# Allegro board DISCOVERY-F030_BOOSTPACK.brd
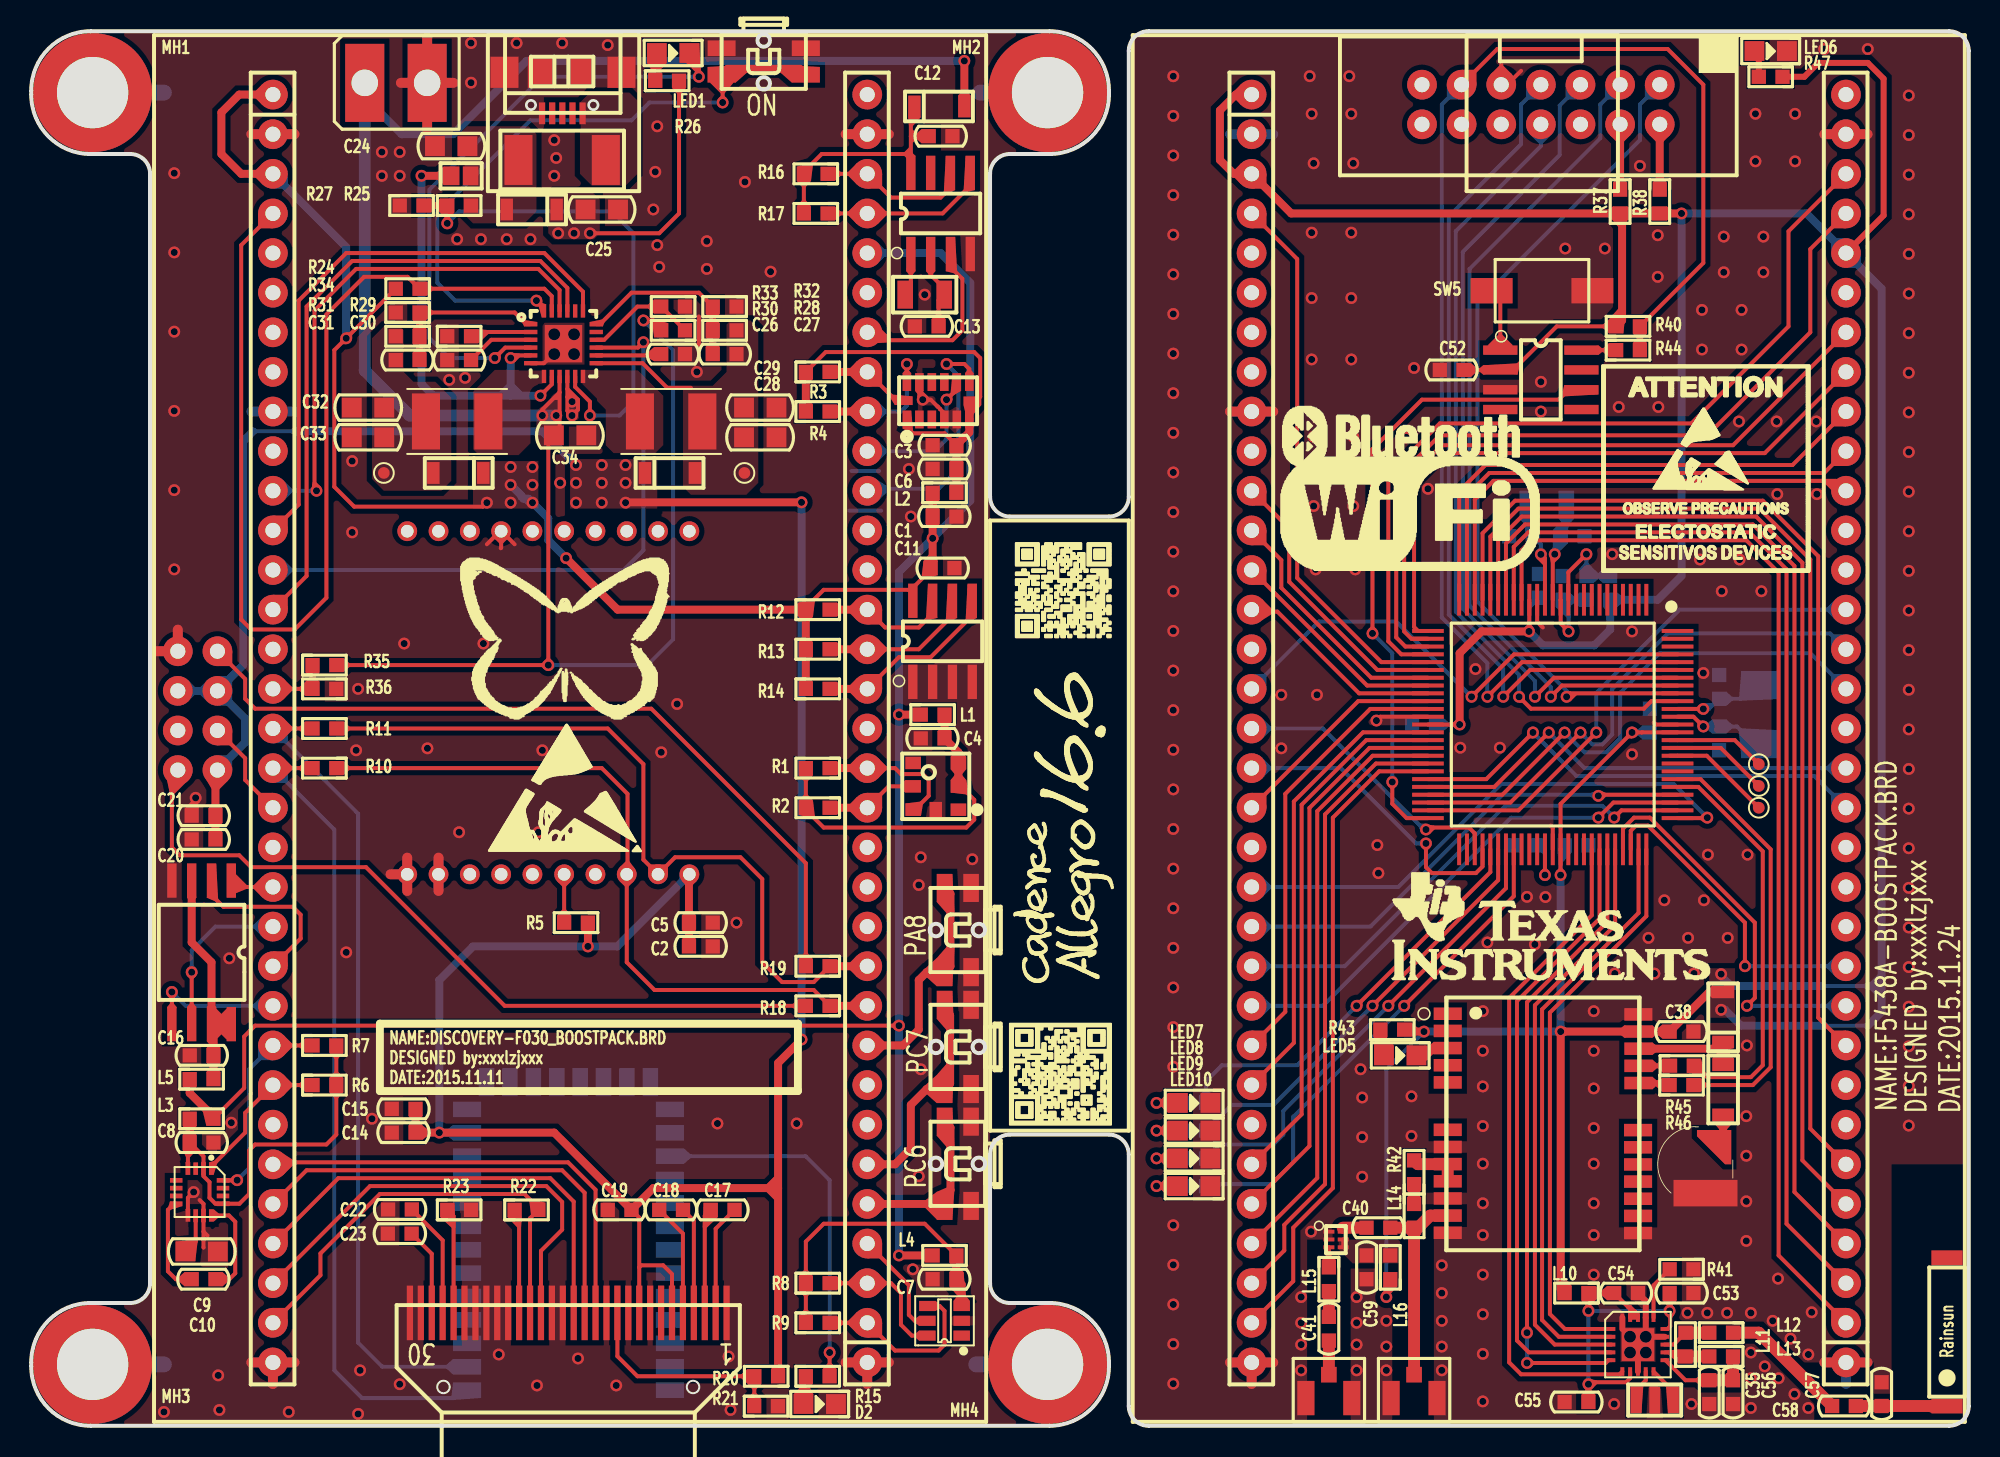
[diagram p0: board, top side]
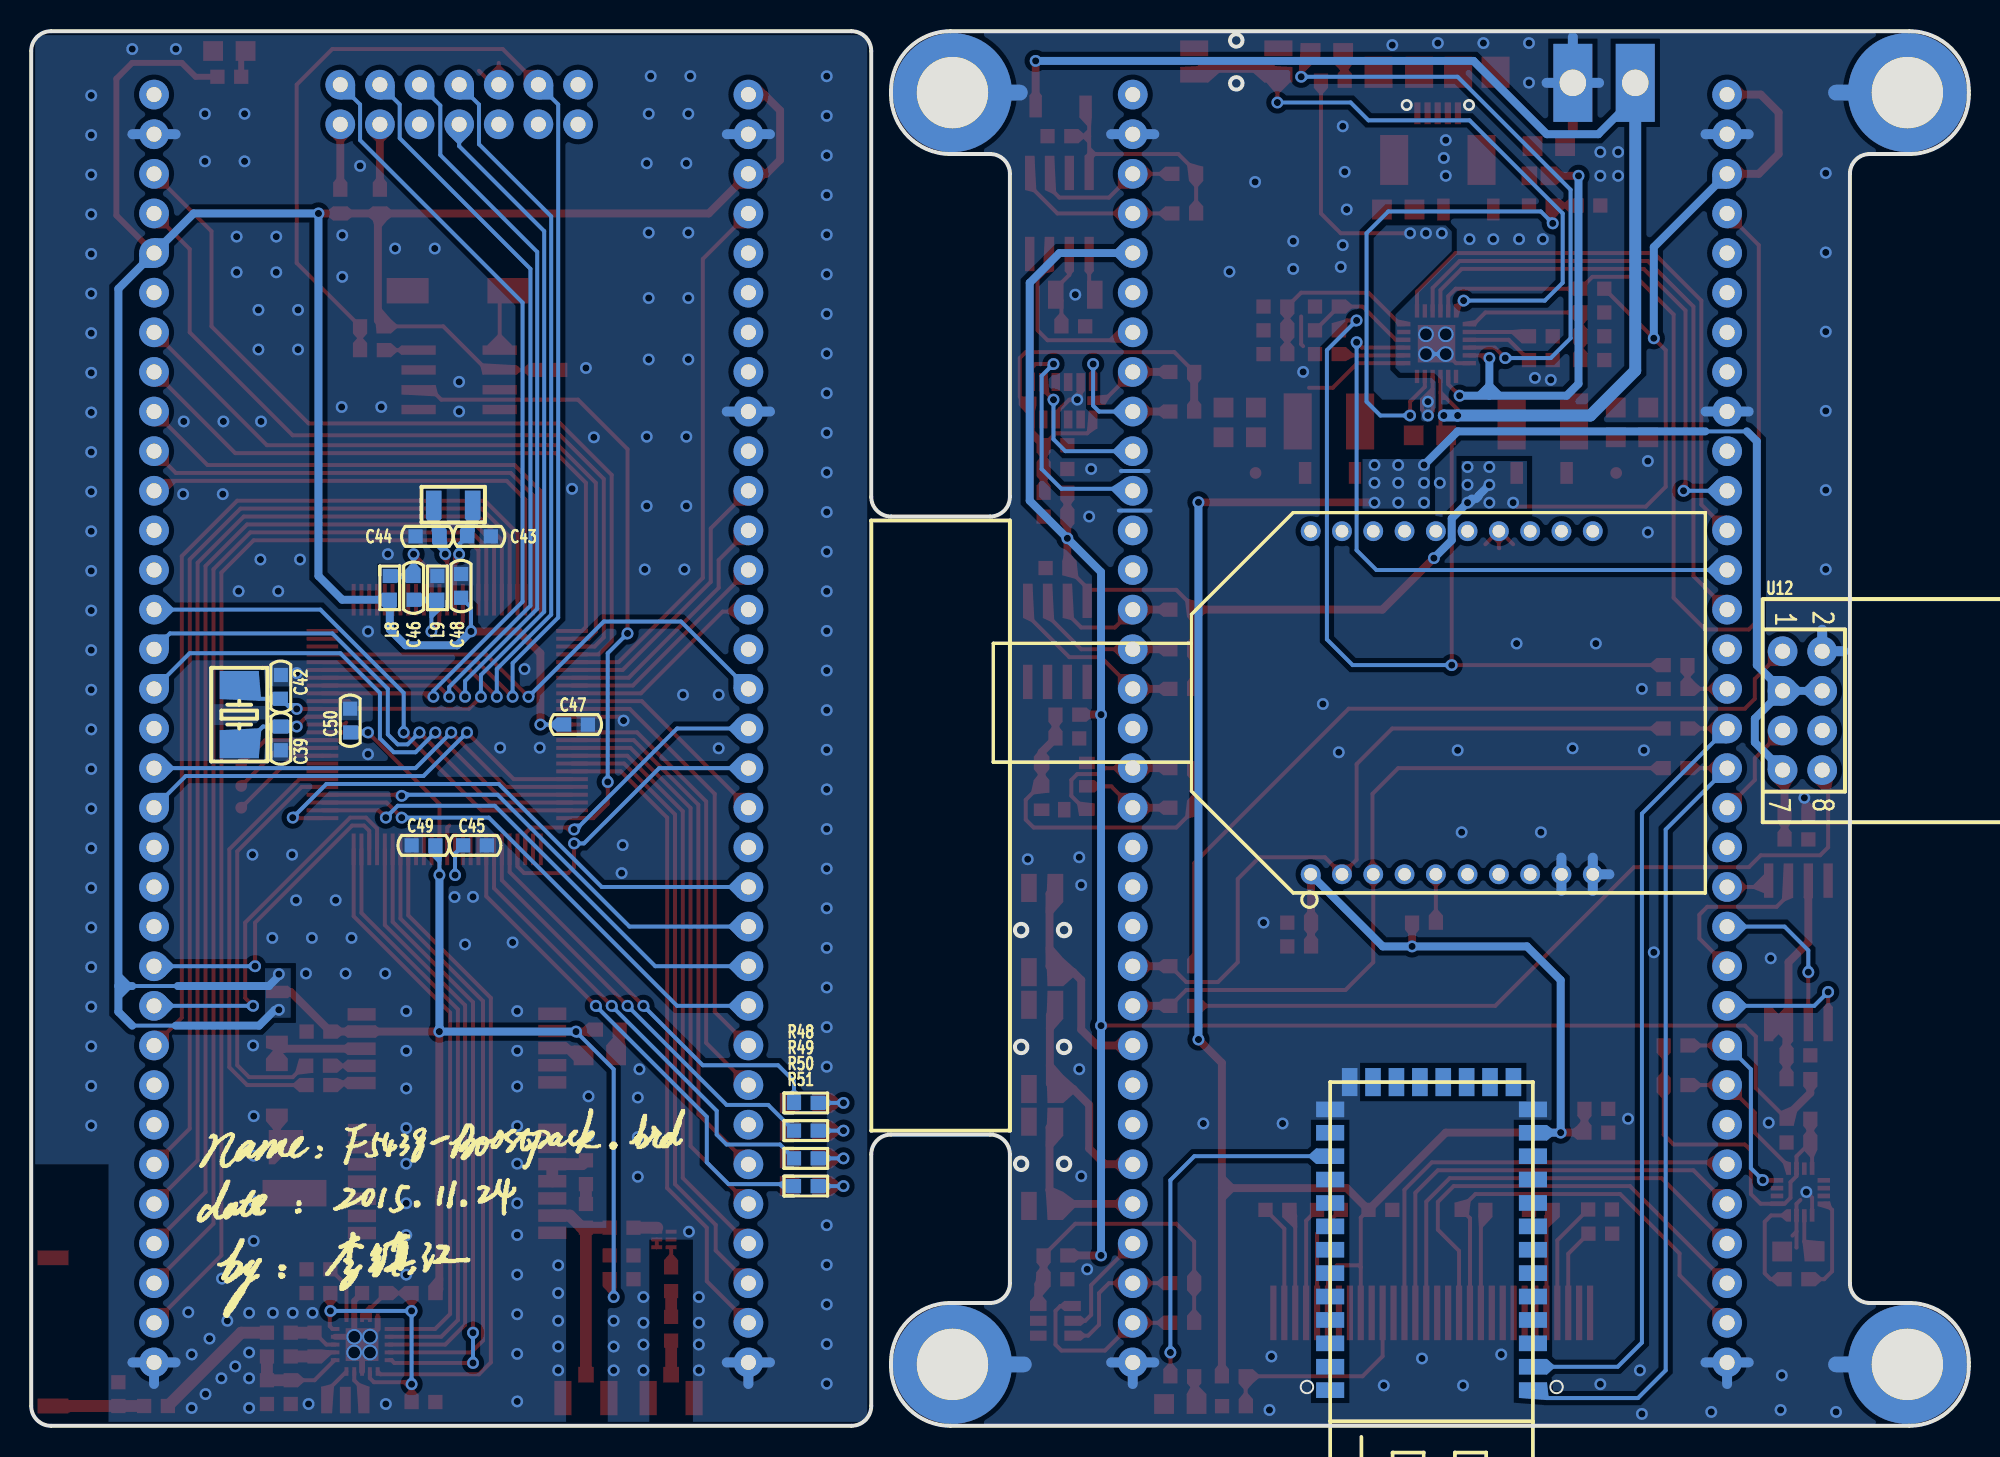
[diagram p1: board, bottom side, seen from below]

Outline 124.21 x 89.41 mm; copper layers: TOP, BOTTOM. Coordinates in mm from the lower left corner of the outline.
Outline path: 0,85.6 arc(1.12,88.29) 3.81,89.41 65.28,89.41 arc(67.97,88.29) 69.09,85.6 69.09,85.34 arc(67.97,82.65) 65.28,81.53 62.74,81.53 arc(61.84,81.16) 61.47,80.26 61.47,59.56 arc(61.84,58.66) 62.74,58.29 69.09,58.29 arc(69.99,58.66) 70.36,59.56 70.36,88.14 arc(70.73,89.04) 71.63,89.41 122.94,89.41 arc(123.83,89.04) 124.21,88.14 124.21,1.27 arc(123.83,0.37) 122.94,0 71.63,0 arc(70.73,0.37) 70.36,1.27 70.36,17.4 arc(69.99,18.3) 69.09,18.67 62.74,18.67 arc(61.84,18.3) 61.47,17.4 61.47,9.14 arc(61.84,8.25) 62.74,7.87 65.28,7.87 arc(67.97,6.76) 69.09,4.06 69.09,3.81 arc(67.97,1.12) 65.28,0 3.81,0 arc(1.12,1.12) 0,3.81 0,4.06 arc(1.12,6.76) 3.81,7.87 6.35,7.87 arc(7.25,8.25) 7.62,9.14 7.62,80.26 arc(7.25,81.16) 6.35,81.53 3.81,81.53 arc(1.12,82.65) 0,85.34 0,85.6

## Placement (name value [footprint] x y rotation side)
ANT1  -  [AN9520-245]  122.81 1.27 90 top
BAT1  BATTERY  [POWER2A]  27.43 87.12 90 top
BAT2  XH414  [BAT-XH414HG]  106.68 16.76 0 top
C1  10uF  [CC0603]  58.55 58.29 180 top
C2  10uF  [CC0603]  42.93 30.73 180 top
C3  0.1uF  [CC0603]  58.55 62.87 0 top
C4  0.1uF  [C0603]  57.78 44.07 180 top
C5  0.1uF  [CC0603]  42.93 32.26 180 top
C6  0.1uF  [CC0603]  58.55 61.34 180 top
C7  0.1uF  [CC0603]  58.55 9.4 180 top
C8  0.1uF  [C0603]  10.92 18.16 0 top
C9  10uF  [C0805]  10.92 11.18 0 top
C10  0.22uF  [C0603]  11.05 9.4 180 top
C11  0.1uF  [CC0603]  58.42 54.99 0 top
C12  0.1uF  [C0603]  58.29 82.68 0 top
C13  12pF  [C0603]  57.4 70.48 0 top
C14  10uF  [CC0603]  23.88 18.8 180 top
C15  0.1uF  [CC0603]  23.88 20.32 180 top
C16  0.1uF  [C0603]  10.92 23.75 0 top
C17  1uF  [C0603]  44.32 13.84 180 top
C18  1uF  [C0603]  41.02 13.84 180 top
C19  22uF  [C0603]  37.72 13.84 180 top
C20  10uF  [CC0603]  11.05 37.59 0 top
C21  0.1uF  [CC0603]  11.05 39.12 0 top
C22  22uF  [C0603]  23.64 13.87 0 top
C23  22uF  [C0603]  23.62 12.32 0 top
C24  10uF  [C0805]  26.92 82.04 0 top
C25  10uF  [C0805]  36.58 77.98 180 top
C26  0.1uF  [C0603]  41.15 68.71 180 top
C27  10pF  [C0603]  44.45 68.71 0 top
C28  10uF  [C0805]  46.74 63.37 180 top
C29  10uF  [C0805]  46.74 65.28 180 top
C30  0.1uF  [C0603]  27.43 68.33 0 top
C31  10pF  [C0603]  24.13 68.33 180 top
C32  10uF  [C0805]  21.59 65.28 0 top
C33  10uF  [C0805]  21.59 63.37 0 top
C34  10uF  [C0805]  34.54 63.5 180 top
C35  4.7pF  [C0603]  107.57 2.16 270 top
C38  0.1uF  [C0603]  105.79 25.27 180 top
C39  20pF  [CC0603]  108.2 44.07 270 bottom
C40  8.2pF  [C0603]  86.36 12.7 180 top
C41  470pF  [C0603]  83.19 6.22 90 top
C42  20pF  [CC0603]  108.2 47.37 90 bottom
C43  12pF  [CC0603]  95.5 57.02 180 bottom
C44  12pF  [CC0603]  98.81 57.02 0 bottom
C45  0.1uF  [C0603]  95.76 37.21 180 bottom
C46  0.1uF  [C0603]  99.7 53.72 90 bottom
C47  0.1uF  [C0603]  89.28 44.96 0 bottom
C48  0.1uF  [C0603]  96.65 53.85 270 bottom
C49  0.1uF  [C0603]  99.06 37.21 180 bottom
C50  0.1uF  [C0603]  103.76 45.21 270 bottom
C52  0.1uF  [CC0603]  91.06 67.69 180 top
C53  0.1uF  [C0603]  105.79 8.51 0 top
C54  0.1uF  [C0603]  102.23 8.51 180 top
C55  0.1uF  [C0603]  99.06 1.52 180 top
C56  2.2nF  [C0603]  109.09 2.16 270 top
C57  1.5pF  [C0603]  116.2 1.27 0 top
C58  1pF  [C0603]  118.62 2.03 90 top
C59  0.1uF  [C0603]  85.6 10.16 270 top
D1  MBRM0520  [SOD-123]  59.82 84.58 180 top
D2  LED_GREEN  [LED0805]  50.55 1.4 0 top
D3  MBRM120  [SOD-123]  30.48 77.98 0 top
D4  MBRM120  [SOD-123]  25.78 61.09 0 top
D5  MBRM120  [SOD-123]  42.54 61.09 180 top
D6  MBRM120  [SOD-123]  108.46 27.81 270 top
D7  MBRM120  [SOD-123]  108.46 19.94 90 top
F1  1.5A  [R2512]  34.04 81.15 180 top
IPX1  IPEX  [IPEX3]  88.65 1.78 0 top
IPX2  IPEX  [IPEX3]  83.19 1.78 0 top
J1  JUMP_2P  [JUMP-2P]  27.56 80.14 180 top
JP1  -  [JTAG]  104.39 85.98 180 top
L1  BEAD  [L0603]  57.78 45.59 180 top
L2  BLM18PG600SH1  [L0603]  58.55 59.82 180 top
L3  BEAD  [L0603]  10.92 19.68 180 top
L4  BLM18PG600SH1  [L0603]  58.55 10.92 0 top
L5  BEAD  [L0603]  10.92 22.23 180 top
L6  4.7uH  [L4532-P]  41.02 64.39 0 top
L7  4.7uH  [L4532-P]  27.3 64.39 180 top
L8  BEAD  [L0603]  101.22 53.72 90 bottom
L9  BEAD  [L0603]  98.17 53.72 270 bottom
L10  BEAD  [L0603]  99.06 8.51 0 top
L11  8.2nH  [L0603]  106.05 5.21 270 top
L12  3.9nH  [L0603]  108.33 5.97 0 top
L13  2.7nH  [L0603]  108.33 4.45 0 top
L14  27nH  [L0603]  88.65 13.46 90 top
L15  6.8nH  [L0603]  83.19 9.4 90 top
L16  27nH  [L0603]  87.12 10.16 270 top
LED1  LED-RED  [LED0805]  41.15 88.01 0 top
LED5  LED-GREEN  [LED0805]  87.76 23.75 0 top
LED6  LED-GREEN  [LED0805]  111.51 88.14 0 top
LED7  LED-GREEN  [LED0805]  74.55 20.7 0 top
LED8  LED-GREEN  [LED0805]  74.55 18.92 0 top
LED9  LED-GREEN  [LED0805]  74.55 17.14 0 top
LED10  LED-GREEN  [LED0805]  74.55 15.37 0 top
MH1  Hold  [HOLD300D180]  3.94 85.47 0 top
MH2  Hold  [HOLD300D180]  65.15 85.47 0 top
MH3  Hold  [HOLD300D180]  3.94 3.94 0 top
MH4  Hold  [HOLD300D180]  65.15 3.94 0 top
NOREF  -  []  0 3.81 0 top
NOREF#2  -  []  3.81 0 90 top
R1  47K  [R0603]  50.42 42.16 0 top
R2  47K  [R0603]  50.42 39.62 0 top
R3  47K  [RC0603]  50.42 67.56 180 top
R4  47K  [RC0603]  50.42 65.02 180 top
R5  20K  [RC0603]  34.92 32.26 0 top
R6  47K  [R0603]  18.8 21.84 180 top
R7  47K  [R0603]  18.8 24.38 180 top
R8  47K  [RC0603]  50.42 9.14 180 top
R9  47K  [RC0603]  50.42 6.6 180 top
R10  0R/NC  [RC0603]  18.8 42.16 0 top
R11  0R/NC  [RC0603]  18.8 44.7 0 top
R12  47K  [RC0603]  50.42 52.32 180 top
R13  47K  [RC0603]  50.42 49.78 180 top
R14  47K  [RC0603]  50.42 47.24 180 top
R15  470R  [RC0603]  50.42 3.17 180 top
R16  4.7K  [R0603]  50.29 80.26 0 top
R17  4.7K  [R0603]  50.29 77.72 0 top
R18  0R/NC  [RC0603]  50.42 26.92 0 top
R19  0R/NC  [RC0603]  50.42 29.46 0 top
R20  10K/NC  [R0603]  47.12 3.17 0 top
R21  10K  [R0603]  47.11 1.26 180 top
R22  0R  [R0603]  31.75 13.84 180 top
R23  390K  [R0603]  27.43 13.84 180 top
R24  1M  [R0603]  24.13 72.9 0 top
R25  3.32K  [R0603]  27.43 78.23 180 top
R26  1.24K  [R0603]  40.77 86.23 180 top
R27  1.24K  [R0603]  24.38 78.23 180 top
R28  249k  [R0603]  44.45 70.23 180 top
R29  1.24K  [R0603]  27.43 69.85 180 top
R30  2.49M  [R0603]  41.15 70.23 0 top
R31  249k  [R0603]  24.13 69.85 0 top
R32  80.6K  [R0603]  44.45 71.75 0 top
R33  806K  [R0603]  41.15 71.75 0 top
R34  80.6K  [R0603]  24.13 71.37 180 top
R35  200K  [R0603]  18.8 48.77 180 top
R36  100K  [R0603]  18.8 47.24 0 top
R37  0R  [R0603]  101.85 78.49 90 top
R38  0R  [R0603]  104.39 78.49 90 top
R40  47K  [R0603]  102.36 70.48 180 top
R41  22K  [R0603]  105.79 10.03 0 top
R42  10R  [R0603]  88.65 16.26 270 top
R43  510R  [R0603]  87.25 25.4 0 top
R44  0R/NI  [R0603]  102.36 68.96 180 top
R45  0R/NI  [R0603]  105.82 23.09 180 top
R46  0R/NI  [R0603]  105.79 21.84 180 top
R47  510R  [R0603]  111.51 86.49 0 top
R48  510R  [R0603]  74.55 20.7 0 bottom
R49  510R  [R0603]  74.55 18.92 0 bottom
R50  510R  [R0603]  74.55 17.14 0 bottom
R51  510R  [R0603]  74.55 15.37 0 bottom
SW1  BACK  [SW-4P-5R4X4R5]  58.55 14.1 90 top
SW2  ENTER  [SW-4P-5R4X4R5]  58.55 21.59 90 top
SW3  MENU  [SW-4P-5R4X4R5]  58.55 29.08 90 top
SW4  SW-4P-5R4x4R5  [SW-4P-5R4X4R5]  49.66 86.61 180 top
SW5  SWITCH-SPST-2P  [KEY_SMD_2]  101.35 72.77 180 top
TP1  TEST P  [TP-0R75]  45.72 61.09 0 top
TP2  TEST P  [TP-0R75]  22.61 61.09 0 top
TP3  TestPoint  [TP-0R75]  110.74 42.42 0 top
TP4  TestPoint  [TP-0R75]  110.74 41.02 0 top
TP5  TestPoint  [TP-0R75]  110.74 39.62 0 top
U1  -  [DISCOVERY-F030]  7.87 0.25 0 top
U2  -  [BMP180]  59.44 39.5 90 top
U3  ADXL345  [LGA-14]  56.13 64.52 90 top
U4  -  [900HP]  33.15 46.35 90 bottom
U5  AD7414-0  [SOT23-6]  58.55 6.73 90 top
U6  HMC5883L  [TQFN-3X3-16]  10.79 14.99 180 top
U7  -  [HC-06]  27.94 2.29 0 bottom
U8  AT24C512  [SOIC8]  58.42 50.29 0 top
U9  PCF8563  [SOIC8]  58.29 77.72 0 top
U10  W25Qxx  [SO-8-300]  10.92 30.35 180 top
U11  -  [OLED_0R96]  44.58 7.24 180 top
U12  -  [ESP8266PACK]  11.94 49.66 270 bottom
U13  LTC3455  [QFN-24]  33.02 71.37 0 top
U14  MSP430F5438AIPZ  [LQFP100]  97.54 44.96 270 top
U15  -  [DISCOVERY-F030]  70.61 0.25 0 top
U16  SP706REN  [SOIC8]  96.77 67.06 270 top
U17  NRF24L01  [TQFN-4X4-20]  103 5.21 270 top
U18  -  [NEO-6M]  90.81 26.42 0 top
U19  MAX2659  [DFN-6]  83.19 12.45 0 top
USB1  -  [USB-MICRO]  34.04 84.07 180 top
X1  32.768K  [X-2P-3R2X1R5-SMD]  57.28 72.52 180 top
X2  12MHz  [X-2P-5R0X3R2-SMD]  110.87 45.59 270 bottom
X3  32.768KHz  [X-2P-3R2X1R5-SMD]  97.16 59.05 0 bottom
X4  CSTCE-16M00  [X-3P-3R2X1R3-SMD]  102.87 1.65 0 top

## Library data of the parts
ANT1 = AN9520-245
BAT1 BAT2 = BATTERY
C1 C4 C8-C10 C12 C13 C16-C19 C22-C35 C38 C40 C41 C45-C50 C53-C59 = CAP
C2 C5 C14 C15 C20 C21 = CAPACITOR NON-POL
C3 C6 C7 = CAP1
C11 C39 C42-C44 = CAP NP
C52 = C_Generic
D1 D3-D7 = D SCHOTTKY
D2 = LED_4
F1 = FUSE
IPX1 IPX2 = IPEX
J1 = JUMP_2P
JP1 = JTAG_0
L1 L3 L5-L16 = INDUCTOR
L2 L4 = BEAD
LED1 LED5-LED10 = LED
MH1-MH4 = Hold_1
R1-R4 R6-R9 R12-R14 R16 R17 R20-R38 R40-R51 = RES1
R5 R10 R11 R18 R19 = R
R15 = RES
SW1-SW4 = SWITCH-SPST-4P
SW5 = SWITCH-SPST-2P
TP1 TP2 = TEST P
TP3-TP5 = TestPoint
U1 U15 = DISCOVERY-F030_0
U2 = BMP180
U3 = ADXL345_1
U4 = 900HP_2
U5 = AD7414ARTZ-OREEL7
U6 = HMC5883
U7 = HC-06
U8 = AT24C512
U9 = PCF8563
U10 = W25Qxx
U11 = OLED_1
U12 = ESP8266PACK
U13 = LTC3455
U14 = MSP430F5438A_0
U16 = SP706T
U17 = NRF24L01
U18 = NEO-6M
U19 = MAX2659
USB1 = USB-MINI
X1-X3 = XTAL
X4 = CSTCE-8M00

## Footprints (pads in the part's own frame, mm; a bottom-side part is the same pattern mirrored in y, then rotated)
900HP
  round 1.27 hole 0.813: 1(-10.998,9.042) 2(-10.998,7.036) 3(-10.998,5.029) 4(-10.998,3.023) 5(-10.998,1.016) 6(-10.998,-1.016) 7(-10.998,-3.023) 8(-10.998,-5.029) 9(-10.998,-7.036) 10(-10.998,-9.042) 11(10.998,-9.042) 12(10.998,-7.036) 13(10.998,-5.029) 14(10.998,-3.023) 15(10.998,-1.016) 16(10.998,1.016) 17(10.998,3.023) 18(10.998,5.029) 19(10.998,7.036) 20(10.998,9.042)
AN9520-245
  rect 0.95x2 smd: 1(0,0) 2(9.5,0)
BAT-XH414HG
  rect 0.5x0.3 smd: 1(1.6,1.4)
  rect 4.1x1.7 smd: 2(0.65,-1.85)
BMP180
  rect 0.8x1 smd: 1(0,0) 2(1.5,0) 3(3,0) 4(3,2.9) 5(1.5,2.9) 6(0,2.9)
  rect 1x0.8 smd: 7(0,1.45)
C0603
  rect 0.914x0.914 smd: 1(-0.762,0) 2(0.762,0)
C0805
  rect 1.27x1.27 smd: 1(-1.041,0) 2(1.041,0)
CC0603
  rect 0.914x0.914 smd: 1(-0.762,0) 2(0.762,0)
DFN-6
  rect 0.7x0.25 smd: 1(0,0) 2(0,-0.5) 3(0,-1) 4(0.92,-1) 5(0.92,-0.5) 6(0.92,0)
DISCOVERY-F030
  round 1.905 hole 0.965: 1(7.62,85.09) 2(7.62,82.55) 3(7.62,80.01) 4(7.62,77.47) 5(7.62,74.93) 6(7.62,72.39) 7(7.62,69.85) 8(7.62,67.31) 9(7.62,64.77) 10(7.62,62.23) 11(7.62,59.69) 12(7.62,57.15) 13(7.62,54.61) 14(7.62,52.07) 15(7.62,49.53) 16(7.62,46.99) 17(7.62,44.45) 18(7.62,41.91) 19(7.62,39.37) 20(7.62,36.83) 21(7.62,34.29) 22(7.62,31.75) 23(7.62,29.21) 24(7.62,26.67) 25(7.62,24.13) 26(7.62,21.59) 27(7.62,19.05) 28(7.62,16.51) 29(7.62,13.97) 30(7.62,11.43) 31(7.62,8.89) 32(7.62,6.35) 33(7.62,3.81) 34(45.72,3.81) 35(45.72,6.35) 36(45.72,8.89) 37(45.72,11.43) 38(45.72,13.97) 39(45.72,16.51) 40(45.72,19.05) 41(45.72,21.59) 42(45.72,24.13) 43(45.72,26.67) 44(45.72,29.21) 45(45.72,31.75) 46(45.72,34.29) 47(45.72,36.83) 48(45.72,39.37) 49(45.72,41.91) 50(45.72,44.45) 51(45.72,46.99) 52(45.72,49.53) 53(45.72,52.07) 54(45.72,54.61) 55(45.72,57.15) 56(45.72,59.69) 57(45.72,62.23) 58(45.72,64.77) 59(45.72,67.31) 60(45.72,69.85) 61(45.72,72.39) 62(45.72,74.93) 63(45.72,77.47) 64(45.72,80.01) 65(45.72,82.55) 66(45.72,85.09)
ESP8266PACK
  round 1.905 hole 0.965: 1(0,0) 2(0,2.54) 3(2.54,0) 4(2.54,2.54) 5(5.08,0) 6(5.08,2.54) 7(7.62,0) 8(7.62,2.54)
HC-06
  rect 1.8x1 smd: 1(0,0) 2(0,-1.5) 3(0,-3) 4(0,-4.5) 5(0,-6) 6(0,-7.5) 7(0,-9) 8(0,-10.5) 9(0,-12) 10(0,-13.5) 11(0,-15) 12(0,-16.5) 13(0,-18) 22(13,-18) 23(13,-16.5) 24(13,-15) 25(13,-13.5) 26(13,-12) 27(13,-10.5) 28(13,-9) 29(13,-7.5) 30(13,-6) 31(13,-4.5) 32(13,-3) 33(13,-1.5) 34(13,0)
  rect 1x1.8 smd: 14(1.25,-19.75) 15(2.75,-19.75) 16(4.25,-19.75) 17(5.75,-19.75) 18(7.25,-19.75) 19(8.75,-19.75) 20(10.25,-19.75) 21(11.75,-19.75)
HOLD300D180
  round 7.62 hole 4.572: 1(0,0)
IPEX3
  rect 1x1 smd: 1(0,1.499)
  rect 1.1x2.2 smd: 2(-1.473,0) 3(1.473,0)
JTAG
  round 1.905 hole 0.965: 1(0,0) 2(0,2.54) 3(2.54,0) 4(2.54,2.54) 5(5.08,0) 6(5.08,2.54) 7(7.62,0) 8(7.62,2.54) 9(10.16,0) 10(10.16,2.54) 11(12.7,0) 12(12.7,2.54) 13(15.24,0) 14(15.24,2.54)
JUMP-2P
  rect 1x1.2 smd: 1(-0.61,0) 2(0.61,0)
KEY_SMD_2
  rect 2.692x1.626 smd: 1(1.27,0) 2(7.73,0)
L0603
  rect 0.914x0.914 smd: 1(-0.762,0) 2(0.762,0)
L4532-P
  rect 1.8x3.6 smd: 1(-2,0) 2(2,0)
LED0805
  rect 1.27x1.27 smd: 1(-1.041,0) 2(1.041,0)
LGA-14
  rect 1.145x0.55 smd: 1(0,0) 2(0,-0.8) 3(0,-1.6) 4(0,-2.4) 5(0,-3.2) 6(0,-4) 8(2.4,-4) 9(2.4,-3.2) 10(2.4,-2.4) 11(2.4,-1.6) 12(2.4,-0.8) 13(2.4,0)
  rect 0.55x1.145 smd: 7(1.2,-4.2) 14(1.2,0.2)
LQFP100
  rect 2.032x0.254 smd: 1(-8,6) 2(-8,5.5) 3(-8,5) 4(-8,4.5) 5(-8,4) 6(-8,3.5) 7(-8,3) 8(-8,2.5) 9(-8,2) 10(-8,1.5) 11(-8,1) 12(-8,0.5) 13(-8,0) 14(-8,-0.5) 15(-8,-1) 16(-8,-1.5) 17(-8,-2) 18(-8,-2.5) 19(-8,-3) 20(-8,-3.5) 21(-8,-4) 22(-8,-4.5) 23(-8,-5) 24(-8,-5.5) 25(-8,-6) 51(8,-6) 52(8,-5.5) 53(8,-5) 54(8,-4.5) 55(8,-4) 56(8,-3.5) 57(8,-3) 58(8,-2.5) 59(8,-2) 60(8,-1.5) 61(8,-1) 62(8,-0.5) 63(8,0) 64(8,0.5) 65(8,1) 66(8,1.5) 67(8,2) 68(8,2.5) 69(8,3) 70(8,3.5) 71(8,4) 72(8,4.5) 73(8,5) 74(8,5.5) 75(8,6)
  rect 0.254x2.032 smd: 26(-6,-8) 27(-5.5,-8) 28(-5,-8) 29(-4.5,-8) 30(-4,-8) 31(-3.5,-8) 32(-3,-8) 33(-2.5,-8) 34(-2,-8) 35(-1.5,-8) 36(-1,-8) 37(-0.5,-8) 38(0,-8) 39(0.5,-8) 40(1,-8) 41(1.5,-8) 42(2,-8) 43(2.5,-8) 44(3,-8) 45(3.5,-8) 46(4,-8) 47(4.5,-8) 48(5,-8) 49(5.5,-8) 50(6,-8) 76(6,8) 77(5.5,8) 78(5,8) 79(4.5,8) 80(4,8) 81(3.5,8) 82(3,8) 83(2.5,8) 84(2,8) 85(1.5,8) 86(1,8) 87(0.5,8) 88(0,8) 89(-0.5,8) 90(-1,8) 91(-1.5,8) 92(-2,8) 93(-2.5,8) 94(-3,8) 95(-3.5,8) 96(-4,8) 97(-4.5,8) 98(-5,8) 99(-5.5,8) 100(-6,8)
NEO-6M
  rect 1.8x0.8 smd: 1(0,0) 2(0,-1.1) 3(0,-2.2) 4(0,-3.3) 5(0,-4.4) 6(0,-7.44) 7(0,-8.54) 8(0,-9.64) 9(0,-10.74) 10(0,-11.84) 11(0,-12.94) 12(0,-14.04) 13(12.2,-14.06) 14(12.2,-12.96) 15(12.2,-11.86) 16(12.2,-10.76) 17(12.2,-9.66) 18(12.2,-8.56) 19(12.2,-7.46) 20(12.22,-4.44) 21(12.22,-3.34) 22(12.22,-2.24) 23(12.22,-1.14) 24(12.22,-0.04)
OLED_0R96
  rect 0.4x3.5 smd: 1(0,0) 2(0.7,0) 3(1.4,0) 4(2.1,0) 5(2.8,0) 6(3.5,0) 7(4.2,0) 8(4.9,0) 9(5.6,0) 10(6.3,0) 11(7,0) 12(7.7,0) 13(8.4,0) 14(9.1,0) 15(9.8,0) 16(10.5,0) 17(11.2,0) 18(11.9,0) 19(12.6,0) 20(13.3,0) 21(14,0) 22(14.7,0) 23(15.4,0) 24(16.1,0) 25(16.8,0) 26(17.5,0) 27(18.2,0) 28(18.9,0) 29(19.6,0) 30(20.3,0)
POWER2A
  rect 5x2.5 hole 1.7: 1(-1.025,6.05) 2(-1.025,2.05)
QFN-24
  rect 0.85x0.28 smd: 1(-1,-0.75) 2(-1,-1.25) 3(-1,-1.75) 4(-1,-2.25) 5(-1,-2.75) 6(-1,-3.25) 13(3.2,-3.25) 14(3.2,-2.75) 15(3.2,-2.25) 16(3.2,-1.75) 17(3.2,-1.25) 18(3.2,-0.75)
  rect 0.28x0.85 smd: 7(-0.15,-4.1) 8(0.35,-4.1) 9(0.85,-4.1) 10(1.35,-4.1) 11(1.85,-4.1) 12(2.35,-4.1) 19(2.35,0.1) 20(1.85,0.1) 21(1.35,0.1) 22(0.85,0.1) 23(0.35,0.1) 24(-0.15,0.1)
  rect 2.4x2.4 smd: 25(1.1,-2)
R0603
  rect 0.914x0.914 smd: 1(-0.762,0) 2(0.762,0)
R2512
  rect 1.8x3.2 smd: 1(-2.8,0) 2(2.8,0)
RC0603
  rect 0.914x0.914 smd: 1(-0.762,0) 2(0.762,0)
SO-8-300
  rect 0.6x2.2 smd: 1(-1.905,-4.6) 2(-0.635,-4.6) 3(0.635,-4.6) 4(1.905,-4.6) 5(1.905,4.6) 6(0.635,4.6) 7(-0.635,4.6) 8(-1.905,4.6)
SOD-123
  rect 0.8x1.4 smd: 1(0,0) 2(3.2,0)
SOIC8
  rect 0.6x2.2 smd: 1(-1.905,-2.6) 2(-0.635,-2.6) 3(0.635,-2.6) 4(1.905,-2.6) 5(1.905,2.6) 6(0.635,2.6) 7(-0.635,2.6) 8(-1.905,2.6)
SOT23-6
  rect 0.65x1.06 smd: 1(-0.95,-1.1) 2(0,-1.1) 3(0.95,-1.1) 4(0.95,1.1) 5(0,1.1) 6(-0.95,1.1)
SW-4P-5R4X4R5
  rect 1.8x1 smd: 1(0,0) 2(5.4,0) 3(0,-1.7) 4(5.4,-1.7)
TP-0R75
  round 0.75 smd: 1(0,0)
TQFN-3X3-16
  rect 0.3x0.8 smd: 1(-0.75,-1.5) 2(-0.25,-1.5) 3(0.25,-1.5) 4(0.75,-1.5) 9(0.75,1.5) 10(0.25,1.5) 11(-0.25,1.5) 12(-0.75,1.5)
  rect 0.8x0.3 smd: 5(1.5,-0.75) 6(1.5,-0.25) 7(1.5,0.25) 8(1.5,0.75) 13(-1.5,0.75) 14(-1.5,0.25) 15(-1.5,-0.25) 16(-1.5,-0.75)
TQFN-4X4-20
  rect 0.25x0.55 smd: 1(-1,-1.725) 2(-0.5,-1.725) 3(0,-1.725) 4(0.5,-1.725) 5(1,-1.725) 11(1,1.725) 12(0.5,1.725) 13(0,1.725) 14(-0.5,1.725) 15(-1,1.725)
  rect 0.55x0.25 smd: 6(1.725,-1) 7(1.725,-0.5) 8(1.725,0) 9(1.725,0.5) 10(1.725,1) 16(-1.725,1) 17(-1.725,0.5) 18(-1.725,0) 19(-1.725,-0.5) 20(-1.725,-1)
  rect 2.1x2.1 smd: 21(0,0)
USB-MICRO
  rect 0.4x1.4 smd: 1(-1.31,-0.07) 2(-0.66,-0.07) 3(-0.01,-0.07) 4(0.64,-0.07) 5(1.29,-0.07)
  rect 1.8x2 smd: 6(-3.8,-2.7) 7(-1.2,-2.7) 8(1.3,-2.7) 9(3.7,-2.7)
X-2P-3R2X1R5-SMD
  rect 1x1.8 smd: 1(-1.25,0) 2(1.25,0)
X-2P-5R0X3R2-SMD
  rect 1.8x2.5 smd: 1(-1.9,0) 2(1.9,0)
X-3P-3R2X1R3-SMD
  rect 0.7x1.7 smd: 1(0,0) 2(1.2,0) 3(2.4,0)

## Nets
GND: BAT1.2 BAT2.2 C1.1 C2.1 C3.1 C4.2 C5.1 C6.2 C7.2 C8.2 C9.2 C11.2 C12.2 C13.1 C14.2 C15.2 C16.1 C19.2 C20.1 C21.1 C22.1 C23.1 C24.1 C25.1 C26.1 C28.1 C29.1 C30.1 C32.1 C33.1 C34.1 C35.2 C38.1 C39.2 C42.2 C43.2 C44.2 C45.2 C47.1 C48.1 C49.1 C50.1 C52.2 C53.2 C54.1 C55.2 C56.2 C58.2 C59.2 D2.2(CATHODE) IPX1.2 IPX1.3 IPX2.2 IPX2.3 JP1.9 L9.1 LED6.2 LED7.2 LED8.2 LED9.2 LED10.2 MH1.1 MH2.1 MH3.1 MH4.1 R21.1 R23.1 R27.2 R29.2 R32.2 R33.2 R34.2 R36.2 R41.2 SW1.3 SW1.4 SW2.3 SW2.4 SW3.3 SW3.4 SW4.3 SW4.4 SW5.1 U1.2(GND_1) U1.9(GND_2) U1.33(GND_3) U1.34(GND_4) U1.65(GND_5) U2.7(GND) U3.2(GND_1) U3.4(GND_2) U3.5(GND_3) U3.12(SDO/ALT) U4.9(NDTR/SLEEP_RQ/DIO8) U4.10(GND_10) U4.14(VREF) U5.2(GND) U6.9(GND_1) U6.11(GND_2) U7.13(GND_1) U7.21(GND_2) U7.22(GND_3) U8.1(A0) U8.2(A1) U8.3(A2) U8.4(GND) U9.4(VSS) U10.4(GND) U11.1(VSS_1) U11.8(VSS_2) U11.10(BS0) U11.12(BS2) U11.16(RW) U11.17(RD) U11.21(D3) U11.22(D4) U11.23(D5) U11.24(D6) U11.25(D7) U11.29(VLSS) U11.30(VSS_3) U12.2(GND) U13.6(SUSPEND) U13.25(GND) U14.15(DVSS1_15) U14.37(DVSS3_37) U14.63(DVSS2_63) U14.88(DVSS4_88) U15.2(GND_1) U15.9(GND_2) U15.33(GND_3) U15.34(GND_4) U15.65(GND_5) U16.3(GND) U17.8(VSS_1) U17.14(VSS_2) U17.17(VSS_3) U17.20(VSS_4) U17.21(GND) U18.7(VDDUSB) U18.10(GND_1) U18.12(GND_2) U18.13(GND_3) U18.24(GND_4) U19.1(GND_1) U19.2(GND_2) USB1.5(GND) USB1.6(S1) USB1.7(S2) USB1.8(S3) USB1.9(S4) X4.2
VBUS: C24.2 D3.1 F1.2 J1.1 R25.1
VCC2_3V3: C2.2 C5.2 C14.1 C15.1 C19.1 C20.2 C21.2 D5.2 R5.2 R20.2 U4.1(VCC_1) U7.12(3.3V) U11.6(VBAT) U11.9(VDD) U12.3(CH_PD) U12.4(GPIO2) U12.7(VCC)
VCC_3V3: C1.2 C11.1 C38.2 C47.2 C48.2 C49.2 C50.2 C52.1 D4.2 D6.1 L1.2 L2.2 L3.1 L4.1 L5.2 L8.1 L10.1 L16.2 R12.2 R13.2 R14.2 R24.1 R37.1 R38.1 R40.2 R43.2 R47.2 U1.1(3V) U1.3(VDD_3) U1.62(VDD) U8.8(VCC) U14.16(DVCC1_16) U14.38(DVCC3_38) U14.64(DVCC2_64) U14.87(DVCC4_87) U15.1(3V) U15.3(VDD_3) U15.62(VDD) U16.2(VCC) U18.23(VCC)
VCC_5V: U1.66(5V)
VCC_BAT: BAT1.1 C34.2 D1.1 R30.1 R35.1 U13.9(VBAT)
VCC_BKUP: BAT2.1 D7.1
3455_HSON: U1.13(PC2) U13.15(HSON)
3455_MODE: U1.14(PC3) U13.21(MODE)
3455_ON2: U1.12(PC1) U13.19(ON2)
3455_PBSTAT: R24.2 U1.4(PC13) U13.23(PBSTAT)
3455_PWRON: U1.11(PC0) U13.22(PWRON)
AD7414_ALT: U1.37(PB15) U5.5(ALERT)
AD7414_SCL: R9.1 U1.35(PB13) U5.4(SCL)
AD7414_SDA: R8.1 U1.36(PB14) U5.6(SDA)
ADC_BAT: R35.2 R36.1 U1.16(PA1)
ADXL345_INT1: U1.56(PB3) U3.8(INT1)
ADXL345_INT2: U1.57(PB4) U3.9(INT2)
ADXL345_SCL: R3.1 U1.59(PB6) U3.14(SCL/SCLK)
ADXL345_SDA: R4.1 U1.58(PB5) U3.13(SDA/SDIO)
AT24C512_SCL: R13.1 U1.52(PC10) U8.6(SCL)
AT24C512_SDA: R14.1 U1.51(PA15) U8.5(SDA)
AT24C512_WP: R12.1 U1.53(PC11) U8.7(WP)
BMP180_SCL: R2.2 U1.48(PF6) U2.5(SCL)
BMP180_SDA: R1.2 U1.49(PF7) U2.6(SDA)
BS1: R20.1 R21.2 U11.11(BS1)
BT_RXD: R11.1 U1.17(PA2) U7.2(UART_RXD)
BT_TXD: R10.1 U1.18(PA3) U7.1(UART_TXD)
HMC5883L_SCL: R6.2 U1.26(PC5) U6.1(SCL)
HMC5883L_SDA: R7.2 U1.25(PC4) U6.16(SDA)
JTAG_TCK: JP1.7 U14.95(PJ.3/TCK)
JTAG_TDI: JP1.3 U14.93(PJ.1/TDI/TCLK)
JTAG_TDO: JP1.1 U14.92(PJ.0/TDO)
JTAG_TEST: JP1.8 U14.91(TEST/SBWTCK)
JTAG_TMS: JP1.5 U14.94(PJ.2/TMS)
OLED_CS: U1.28(PB1) U11.13(CS)
OLED_D0: U1.31(PB11) U11.18(D0/SCL)
OLED_D1: R22.1 U1.32(PB12) U11.19(D1/SDA)